# KiCad board FCSat_dual.kicad_pcb (continued)
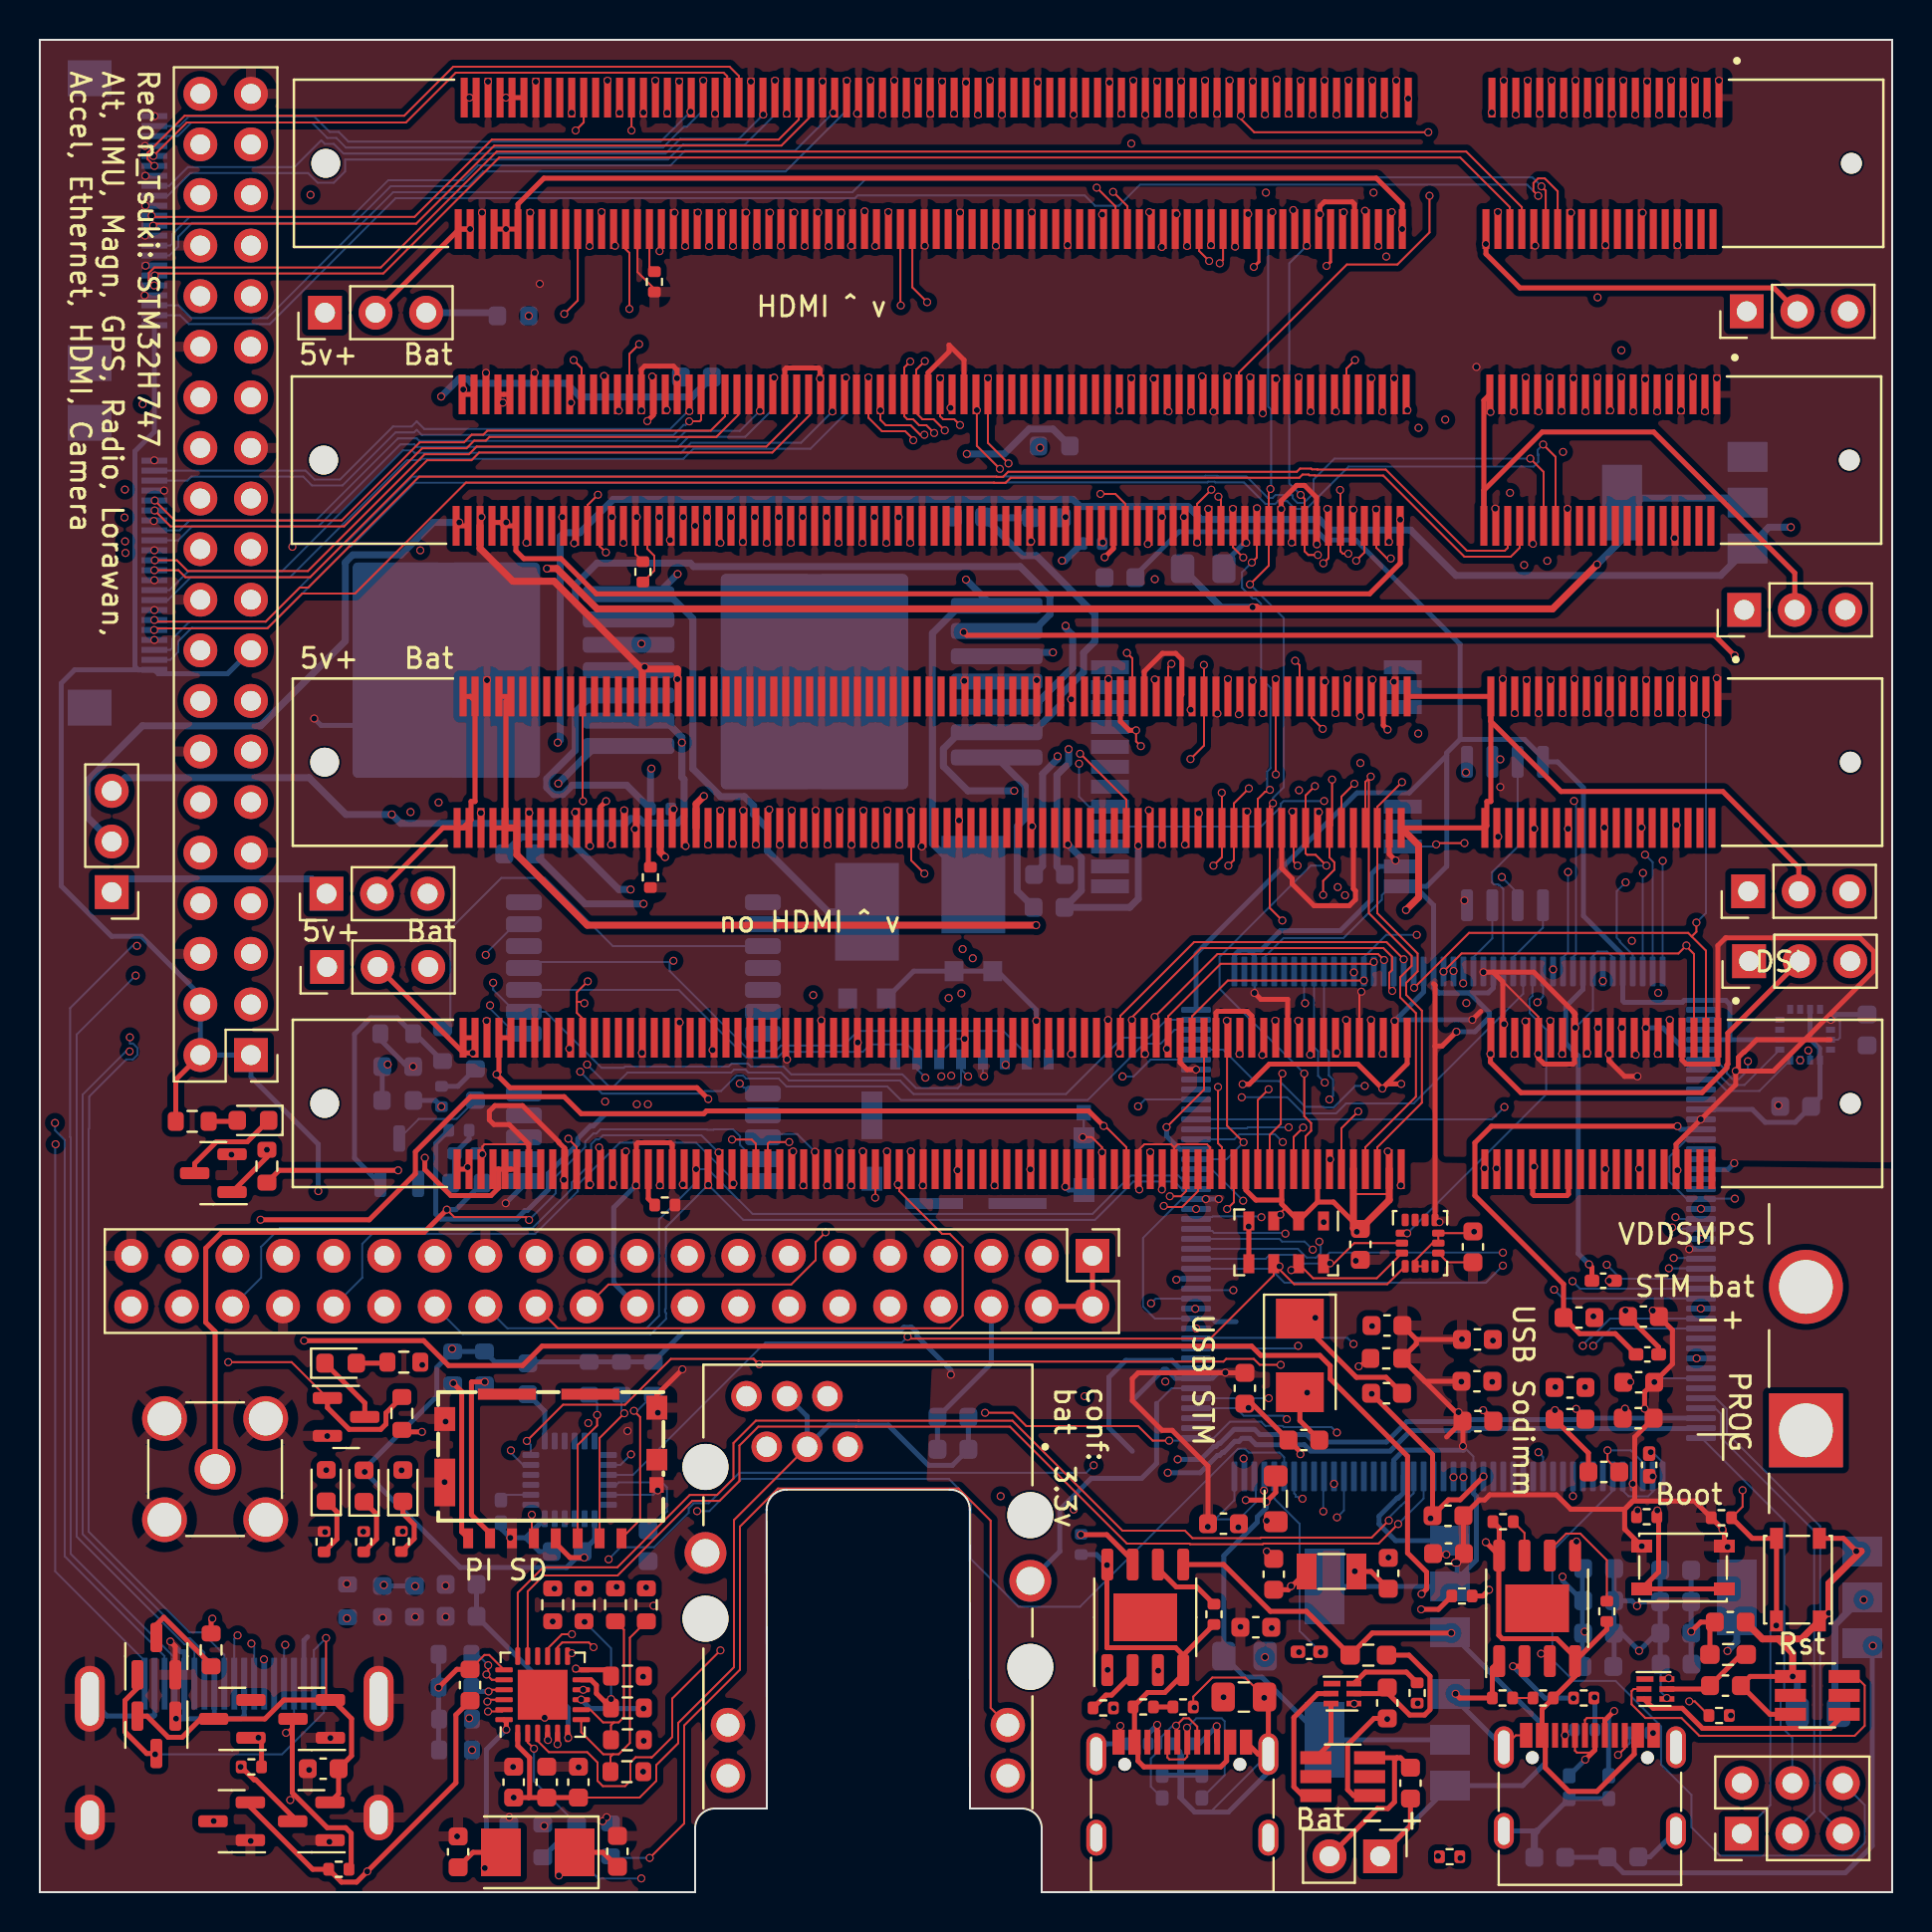
[diagram p0: board, top side]
## Routing (per net, layer and track width the routed paths; a pad name or vN(x,y) marks a point on that pad's centre or on a via; arc(x,y) is an arc through that point) (continued)
HDMI_D0_P: length 126.3
  Top w0.1: v1(46.2,73.66) 45.91,73.95 45.35,73.95 45.2,74.1 U3.119
  In1.Cu w0.1: v1(45.3,90.9) 45.4,90.8 45.4,76.2 v1(45.2,76) ; v1(46.27,45.12) 47.24,46.1 47.24,72.62 v1(46.2,73.66)
  In2.Cu w0.1: v1(46.27,45.12) 46.27,44.78 45.98,44.49 40.37,44.49 39.12,45.74 38.52,45.74 38.11,45.33 22.98,45.33 22.59,44.93 22.45,44.93 20.64,43.13 5.43,43.13 v1(4.51,42.21)
  Bottom w0.1: v1(4.51,42.21) 4.32,42.21 2.15,40.04 2.15,17.98 7.38,12.74 7.54,12.74 8.26,12.02 J8.7
HDMI_D1_N: length 129.9
  Top w0.1: v1(45.44,73.39) 44.88,73.95 44.31,73.95 44,74.26 ; v1(44.43,76.87) 44,76.43 U3.123
  In1.Cu w0.1: v1(46.84,46.89) 46.73,47 46.73,51.88 45.3,53.31 45.3,73.25 v1(45.44,73.39) ; v1(44.1,90.9) 43.98,90.77 43.98,82.47 44.1,82.35 44.1,77.2 v1(44.43,76.87)
  In2.Cu w0.1: v1(46.84,46.89) 46.84,47.4 46.4,47.85 11.84,47.85 11.17,48.52 5.32,48.52 4.48,47.68 4.48,46.35 v1(4.81,46.02)
  Bottom w0.1: J8.6 7.76,12.1 7.42,12.44 7.26,12.44 1.85,17.85 1.85,43.06 v1(4.81,46.02)
HDMI_D1_P: length 126.6
  Top w0.1: v1(43.7,76.85) 43.4,76.55 U3.125 43.4,74.1 43.55,73.95 43.84,73.95 44.14,73.65 44.51,73.65 v1(44.9,73.26)
  In1.Cu w0.1: v1(43.7,76.85) 43.7,82.33 43.5,82.53 v1(43.5,89.26) ; v1(46.33,47.35) 46.33,51.86 44.9,53.29 v1(44.9,73.26)
  In2.Cu w0.1: v1(46.33,47.35) 46.13,47.55 11.72,47.55 11.06,48.21 5.89,48.21 5.2,47.51 v1(4.87,47.51)
  Bottom w0.1: v1(4.87,47.51) 4.65,47.51 1.52,44.39 1.52,37.91 1.55,37.89 1.55,16.99 6.76,11.78 J8.4
HDMI_D2_N: length 128.6
  Top w0.1: v1(44.41,73.17) 44.2,73.17 43.72,73.65 42.47,73.65 42.2,73.92 U3.129
  In1.Cu w0.1: v1(44.41,73.17) 44.45,73.13 44.45,53.32 45.23,52.54 45.23,44.72 45.76,44.2 v1(45.76,40.99) ; v1(42.3,89.25) 42.2,89.15 42.2,84.18 42.47,83.92 42.39,83.84 42.39,75.85 42.2,75.66 v1(42.2,74.4)
  In2.Cu w0.1: v1(45.76,40.99) 45.76,41.03 45.19,41.59 38.1,41.59 37.92,41.41 37.63,41.41 37.62,41.4 28.71,41.4 25.93,38.62 v1(0.76,38.62)
  Bottom w0.1: J8.3 6.26,11.85 1.25,16.86 1.25,37.76 0.76,38.25 v1(0.76,38.62)
HDMI_D2_P: length 125.5
  Top w0.1: U3.131 41.6,74.03 42.28,73.35 43.45,73.35 43.76,73.04 43.76,72.99 v1(43.85,72.89)
  In1.Cu w0.1: v1(41.6,76.05) 41.54,76.11 41.54,82.82 41.82,83.09 41.82,90.83 v1(41.7,90.95) ; v1(45.26,40.96) 44.93,41.29 44.93,52.41 44.11,53.23 44.11,72.64 v1(43.85,72.89)
  In2.Cu w0.1: v1(0.79,37.55) 1.46,38.22 26.31,38.22 29.19,41.1 37.74,41.1 37.76,41.11 44.11,41.11 44.29,41.29 44.93,41.29 v1(45.26,40.96)
  Bottom w0.1: 5.26,11.62 0.77,16.11 0.77,37.53 v1(0.79,37.55)
HDMI_HPD_N_1V8: length 131.8
  Top w0.1: v1(53.25,70.2) 54,70.2 54.5,69.7 U3.88 ; U5.88 54.55,37.4 53.48,38.47 v1(53.41,38.47) ; U2.88 54.61,84.64 v1(53.88,85.37) ; 54.55,53.43 54.55,54.85 52.24,57.16 v1(52.23,57.16)
  Top w0.25: v1(53.41,38.47) 52.66,39.22 33.47,39.22 33.33,39.08 27.18,39.08 26.32,39.94 21.62,39.94 18.86,37.17 18.86,36.07 16.54,33.76 v1(11.08,33.76) ; R44.1 8.6,13.67 v1(8.66,13.73)
  In1.Cu w0.1: v1(53.88,85.37) 53.74,85.22 53.74,76.56 53.25,76.07 v1(53.25,70.2) 52.97,69.92 52.97,63.64 53.78,62.83 53.78,62.46 53.76,62.44 53.76,62.22 53.24,61.7 53.24,58.17 v1(52.23,57.16) 52.24,57.16 52.58,56.82 52.58,39.3 v1(53.41,38.47)
  In1.Cu w0.25: v1(8.66,13.73) 9.11,14.18 11.22,14.18 12.45,15.41 12.45,16.96 13.02,17.53 13.02,25.45 11.03,27.43 11.03,33.71 v1(11.08,33.76)
HDMI_SCL: length 125.8
  Top w0.25: R38.2 10.76,5.64 10.84,5.64 12.69,3.79 D9.3
  In1.Cu w0.1: v1(28.5,90.95) 27.76,90.21 27.76,83.06 28.01,82.8 28.01,76.6 28.33,76.29 v1(28.33,76.12) ; v1(4.27,70.42) 3,69.15 3,66.7 3.41,66.29 3.41,56.65 2.51,55.75 2.51,48.98 2.91,48.58 2.91,43.99 2.62,43.71 2.62,43.01 2.61,43 2.61,41.42 2.91,41.12 2.91,33.94 1.99,33.03 1.99,30.87 2.19,30.68 1.99,30.49 1.99,28.33 2.91,27.42 2.91,15.55 3.41,15.04 3.41,12.96 v1(10.08,6.29)
  In2.Cu w0.1: 11.78,11.14 11.04,11.14 10.08,10.18 v1(10.08,6.29) ; v1(28.33,76.12) 28.09,75.88 11.33,75.88 11.06,76.15 10.13,76.15 9.16,75.18 9.16,74.59 8.48,73.91 6.77,73.91 4.27,71.41 v1(4.27,70.42)
  In2.Cu w0.25: v1(12.32,12.42) 12.32,11.68 11.78,11.14
  Bottom w0.1: v1(12.32,12.42) 12.26,12.36 J8.15
HDMI_SDA: length 128.6
  Top w0.1: D10.3 12.71,8.35 v1(12.36,8) ; 12.67,5.39 12.67,4.73 v1(12.57,4.62)
  Top w0.25: 12.67,8.66 12.67,4.99 14.43,3.23 15.35,3.23 15.63,2.96 15.63,1.26
  In1.Cu w0.1: v1(4.25,69.02) 4.25,68.78 3.58,68.11 3.58,67.93 3.3,67.65 3.3,66.83 3.88,66.25 3.88,56.58 4.71,55.75 4.71,49.11 3.86,49.11 3.21,48.46 3.21,43.87 2.92,43.58 2.92,42.88 2.91,42.87 2.91,41.55 3.21,41.25 3.21,33.82 2.29,32.9 2.29,31 2.61,30.68 2.29,30.36 2.29,28.46 3.21,27.54 3.21,15.67 3.88,15 3.88,13.32 v1(12.57,4.62) ; v1(29.07,74.39) 29.39,74.71 29.39,76.91 29.2,77.1 29.2,79.68 29.39,79.87 29.39,82.88 29.1,83.17 v1(29.1,89.34)
  In2.Cu w0.1: v1(4.25,69.02) 4.25,69.84 4.67,70.25 4.67,71.38 6.9,73.61 8.6,73.61 8.94,73.95 11.06,73.95 11.49,74.39 v1(29.07,74.39)
  Bottom w0.1: J8.16 12.76,8.4 v1(12.36,8)
is_Charg: length 1
  Top w0.25: R8.2 R7.1
is_Charg1: length 1
  Top w0.1: 74.96,9.75 R47.1
MDC: length 54.2
  Top w0.1: v1(26.71,12) 26.64,12 U1.13
  In1.Cu w0.1: v1(52.91,21.43) 52.91,25.04 54.8,26.93 54.8,39.12 v1(55.14,39.46) ; v1(26.71,12) 28.56,13.85 v1(28.56,16.71)
  Bottom w0.1: MainMCU1.35 55.48,39.8 v1(55.14,39.46) ; v1(52.91,21.43) 52.53,21.06 35.11,21.06 33.59,19.53 32.83,19.53 32.58,19.28 32.58,19.05 30.84,17.31 29.16,17.31 v1(28.56,16.71)
MDIO: length 66.5
  Top w0.25: U1.12 28.36,11.16 R24.2
  In1.Cu w0.1: v1(26.92,11.22) 26.31,11.83 26.31,34.79 26.59,35.06 26.6,35.06 27.01,35.47 27.01,35.57 27.4,35.96 27.4,37.08 27.38,37.1 27.38,37.68 27.4,37.7 27.4,37.75 27.58,37.93 27.58,39.08 27.38,39.28 27.38,40.11 27.6,40.32 27.6,41.43 v1(27.48,41.55)
  Bottom w0.1: v1(27.48,41.55) 28.63,40.39 28.75,40.39 29.5,41.15 34.7,41.15 34.85,41.3 35.43,41.3 35.58,41.15 37.22,41.15 37.61,40.75 43.19,40.75 43.87,40.07 51.52,40.07 54.35,42.9 55.67,42.9 56.57,43.8 MainMCU1.43
PC_RX: length 158.9
  In1.Cu w0.1: P4.38 6.03,28.31 4.13,28.31 3.49,28.95 3.49,29.87 4.13,30.51 4.41,30.51 4.41,30.85 4.13,30.85 3.49,31.49 3.49,32.41 4.13,33.05 4.41,33.05 4.41,41.81 4.34,41.81 4.11,42.04 4.11,42.38 4.3,42.57 4.12,42.75 4.12,43.09 4.41,43.37 4.41,47.91 5.21,47.91 5.91,48.61 5.91,50.04 P3.10 ; v1(65.12,42.17) 65.18,42.24 65.18,43.97 64.98,44.18 64.98,46.07 64.92,46.12 64.92,46.62 65.13,46.83 65.13,50.36 65.13,50.36 65.13,51.07 65.29,51.24 65.29,51.82 65.28,51.83 65.28,58.97 v1(65.05,59.2) 65,59.25 65,67.49 65.04,67.54 65.04,70.07 64.88,70.24 64.88,70.31 64.87,70.32 64.87,74.15 v1(65.07,74.34) 65.07,89.22 v1(65.1,89.25)
  In2.Cu w0.1: v1(80.49,51.17) 77.39,51.17 76.77,50.56 73.29,50.56 73.27,50.57 73.24,50.57 73,50.8 65.5,50.8 v1(65.16,50.46) 64.85,50.77 64.14,50.77 64.08,50.71 32.45,50.71 31.58,51.57 30.98,51.57 29.26,53.29 9.16,53.29 P3.10
  Bottom w0.1: v1(80.49,51.17) 80.48,51.16 MainMCU1.86
PC_TX: length 149.5
  Top w0.1: U3.51 65.6,76.49 v1(66.03,76.92)
  In1.Cu w0.1: P4.40 5.69,30.51 5.69,46.88 8.06,49.25 ; v1(65.58,43.79) 65.59,43.8 65.59,43.99 65.28,44.3 65.28,46.19 65.22,46.25 65.22,46.49 65.59,46.86 65.59,47.91 65.59,47.92 65.59,51.11 65.59,51.11 65.59,51.94 65.59,51.94 65.59,60.84 v1(65.65,60.9) 65.29,61.26 65.29,67.37 65.34,67.41 65.34,69.98 65.37,70 65.45,70 65.68,70.24 65.68,70.31 65.81,70.44 65.81,76.7 v1(66.03,76.92) 65.92,77.03 65.92,90.73 v1(65.7,90.95)
  In2.Cu w0.1: P3.8 9.16,50.75 12.95,50.75 13.47,51.27 31.46,51.27 32.32,50.41 64.21,50.41 64.27,50.47 64.6,50.47 64.83,50.24 64.83,50.13 64.9,50.05 v1(65.53,50.05) 65.83,50.35 73.03,50.35 73.11,50.27 73.15,50.27 73.16,50.26 79.17,50.26 v1(79.62,50.7)
  Bottom w0.1: MainMCU1.85 79.98,47.07 79.32,47.72 79.32,47.77 79.17,47.92 79.17,50.25 v1(79.62,50.7)
power0 : length 90.8
  Top w0.1: 23.11,90.1 v1(23.4,90.1)
  Top w0.25: 24.31,90.1 v1(23.4,90.1) ; U2.40 72.61,82.25 74.31,80.54 87.07,80.54 J14.2 ; U2.42 68.41,84.75 67.1,86.05 25.31,86.05 24.01,84.75 U2.190 22.81,83.5
  In1.Cu w0.25: v1(68.4,83.5) 71.85,83.5 v1(72.6,82.75) 72.6,89.05 v1(72.9,89.35) 72.2,90.05 v1(68.7,90.05) ; v1(23.4,90.1) 23.4,83.5 v1(23.41,83.5)
power1 : length 97.3
  Top w0.1: 23.09,74.78 v1(23.25,74.78)
  Top w0.25: 22.83,68.77 23.13,68.77 U3.192 U3.190 23.9,67.35 24.3,66.95 26.17,66.95 27.93,65.19 66.77,65.19 68.3,66.72 v1(68.3,68.91) ; J13.2 88.11,66.23 81.03,73.31 75.43,73.31 72.5,70.38 U3.40 72.5,74.9 U3.39 ; U3.191 U3.193
  In1.Cu w0.25: v1(68.3,68.91) 68.3,74.04 v1(68.66,74.41) 72.74,74.41 v1(72.83,74.32) ; v1(23.41,68.77) 23.25,68.93 v1(23.25,74.78)
power2 : length 97.6
  Top w0.25: U4.41 U4.39 ; U4.39 72.85,54.76 72.65,54.76 72.65,53.53 72.55,53.43 68.35,53.43 ; U4.39 72.85,58.78 76.37,55.26 84.5,55.26 88.31,51.45 J15.2 ; U4.193 U4.191 23.4,59.78 23.4,53.48 23.35,53.43 22.75,53.43
  Top w0.35: v1(68.59,49.31) 69.23,49.94 69.23,52.56 68.35,53.43 ; 23.35,53.43 23.95,53.43 23.95,52.08 27.48,48.55 v1(50.02,48.55)
  In2.Cu w0.35: v1(68.59,49.31) 50.27,49.31 49.97,49.01 50.02,48.96 v1(50.02,48.55)
power3 : length 107.6
  Top w0.25: U5.190 23.64,36.3 ; 23.64,36.3 23.03,36.3 ; 23.64,36.3 U5.192 ; U5.41 68.65,41.59 v1(67.4,40.35) ; v1(67.4,40.35) 66.17,41.57 61.73,41.57 60.72,40.56 v1(60.39,40.56) ; v1(67.4,40.35) 67.64,40.58 v1(68.35,40.58) ; 23.03,36.3 23.03,35.35 22.65,34.97 20.64,34.97 19.33,36.28 v1(19.33,36.87) ; 23.03,36.3 U5.194 ; J16.2 84.75,43.13 84.75,41.57 84.7,41.52 84.7,41.39 83.45,40.14 74.36,40.14 72.83,41.67 v1(72.83,42.09) ; U5.191 U5.193 23.05,41.18 v1(22.93,41.06) 23.6,40.39 32.99,40.39 v1(33.56,39.82)
  In1.Cu w0.25: v1(68.33,35.49) 68.42,35.49 68.98,36.05 68.98,39.95 v1(68.35,40.58) ; v1(19.33,36.87) 19.33,40.99 20.95,42.61 21.93,42.61 22.93,41.61 v1(22.93,41.06) ; v1(72.83,42.09) 72.53,41.79 v1(72.53,36.34)
  In2.Cu w0.25: v1(33.56,39.82) 54.83,39.82 54.94,39.93 59.41,39.93 60.04,40.56 v1(60.39,40.56) ; v1(72.83,42.09) 69.15,42.09 v1(67.4,40.35)
REFCLK: length 60.5
  In1.Cu w0.1: v1(25.84,15.24) 26.01,15.41 26.01,34.91 26.46,35.36 26.47,35.36 26.71,35.6 26.71,37.41 26.96,37.66 26.96,37.73 27.28,38.05 27.28,38.96 27.08,39.16 27.08,40.23 27.3,40.45 27.3,40.93 27.23,41 27.23,41.09 v1(27.13,41.19)
  Bottom w0.1: v1(27.13,41.19) 28.23,40.09 33.27,40.09 33.39,40.22 34.2,40.22 34.98,41 35.31,41 35.45,40.85 37.09,40.85 37.49,40.45 42.55,40.45 43.23,39.77 52.61,39.77 55.44,42.6 56.27,42.6 56.97,43.3 MainMCU1.42
RXD0: length 66.9
  In1.Cu w0.1: v1(28.96,15.33) 28.96,16.93 28.89,17 28.89,35.02 29.97,36.1 v1(29.97,39.56)
  In2.Cu w0.1: v1(64.74,39.8) 64.1,39.15 55.82,39.15 55.43,38.76 54.85,38.76 54.52,39.08 30.58,39.08 30.51,39.15 30.37,39.15 29.97,39.55 v1(29.97,39.56)
  Bottom w0.1: MainMCU1.54 64.48,42.43 64.72,42.19 64.72,41.01 64.93,40.8 64.93,39.98 v1(64.74,39.8)
RXD1: length 65.5
  In1.Cu w0.1: v1(30.44,15.3) 30.44,24.39 31.09,25.04 31.09,32.41 30.49,33.01 30.49,39.52 v1(30.53,39.56)
  In2.Cu w0.1: v1(64.51,40.65) 63.32,39.45 55.7,39.45 55.3,39.06 54.97,39.06 54.63,39.4 33.76,39.4 33.74,39.38 33.41,39.38 33.39,39.4 30.69,39.4 v1(30.53,39.56)
  Bottom w0.1: MainMCU1.53 63.98,42.43 64.18,42.22 64.18,40.98 v1(64.51,40.65)
SCK: length 103.2
  Top w0.1: IMU1.13 65.99,32.59 64.95,31.55 Alt1.8 ; v1(47.46,24.07) 48.86,24.07 49.53,23.4 55.15,23.4 55.88,22.67 v1(56.7,22.67)
  In1.Cu w0.1: v1(46.61,40.96) 46.48,40.83 46.48,25.05 v1(47.46,24.07) ; v1(23.65,22.18) 24.05,22.58 24.05,28.23 23.47,28.81 23.47,33.66 24.06,34.25 24.06,44.36 v1(22.76,45.66) ; v1(65.12,23.08) 65.12,31.23 v1(64.78,31.57)
  Bottom w0.1: GPS1.19 25.39,44.2 28.2,41.39 29.32,41.39 29.38,41.45 34.58,41.45 34.73,41.6 35.55,41.6 35.7,41.45 37.34,41.45 37.73,41.06 43.3,41.06 43.99,40.37 46.09,40.37 46.25,40.53 J3.5 46.25,41.32 v1(46.61,40.96) ; v1(65.12,23.08) 64.85,23.35 62.46,23.35 62.4,23.41 61.54,23.41 61.33,23.62 59.75,23.62 58.94,22.8 MainMCU1.1 57.92,22.67 v1(56.7,22.67) ; 23.87,44.2 22.76,45.31 v1(22.76,45.66) ; v1(23.65,22.18) 23.65,22.07 24.27,21.45 Accel1.23
SCL: length 5
  Bottom w0.1: MainMCU1.95 84.11,41.3 84.39,41.02 84.39,40.96 84.82,40.53 85.58,40.53 Magnetometer1.1
SDA: length 5.4
  Bottom w0.1: Magnetometer1.16 86.33,40.23 84.7,40.23 84.12,40.8 MainMCU1.96
SDI: length 92.8
  Top w0.1: IMU1.1 67.65,30.53 62.97,30.53 Alt1.6 61.95,30.97 58.76,27.79 43.67,27.79 v1(43.57,27.89)
  In1.Cu w0.1: v1(61.7,24.8) 61.7,30.88 v1(62.24,31.42) ; v1(43.57,27.89) 43.79,28.11 43.79,32.07 45.17,33.45 45.17,40.18 v1(44.46,40.89)
  Bottom w0.1: v1(44.46,40.89) 44.05,41.3 J3.7 ; MainMCU1.5 v1(61.7,24.8) ; v1(43.57,27.89) 43.28,27.6 36.43,27.6 29.78,20.95 Accel1.9 ; 44.05,42.06 43.55,42.56 41.69,42.56 41.32,42.19 37.7,42.19 37.68,42.21 37.35,42.21 37.33,42.19 37.32,42.19 37.03,41.9 35.48,41.9 32.08,45.3 GPS1.20
SDMMC1_CK: length 55.7
  Top w0.1: v1(24.7,18.95) 24.7,17.85
  In2.Cu w0.1: v1(76.97,19.88) 76.84,20.02 63.69,20.02 63.56,20.15 62.1,20.15 61.54,20.71 57.27,20.71 56.92,20.36 56.34,20.36 55.99,20.71 34.77,20.71 33.59,19.53 25.28,19.53 v1(24.7,18.95)
  Bottom w0.1: v1(76.97,19.88) 76.97,20.16 76.98,20.17 MainMCU1.142
SDMMC1_CMD: length 57.5
  Top w0.1: v1(27.98,23.96) 27.98,23.43 27,22.45 27,17.77
  In2.Cu w0.1: v1(75.24,22.09) 74.23,23.1 71.23,23.1 70.8,22.67 62.47,22.67 61.58,23.56 28.38,23.56 v1(27.98,23.96)
  Bottom w0.1: R35.2 27.98,24.57 v1(27.98,23.96) ; MainMCU1.145 75.48,21.85 v1(75.24,22.09)
SDMMC1_D0: length 70.7
  Top w0.25: v1(22.34,25.62) 21.69,25.62 21.67,25.6 21.67,18.95 22.6,18.02
  In2.Cu w0.1: v1(83.18,26.8) 82.95,27.03 44.02,27.03 43.7,27.35 42.24,27.35 42.08,27.51 28.73,27.51 27.93,26.71 27.39,26.71 27.19,26.91 23.63,26.91 v1(22.34,25.62)
SDO: length 111.6
  Top w0.1: v1(24.45,22.66) 26.27,24.47 29.39,24.47 31.69,26.77 35.82,26.77 ; IMU1.14 67.13,30.82 63.92,30.82 Alt1.7 ; 35.82,26.77 35.96,26.64 59.43,26.64 59.56,26.77 60.95,26.77 61.25,26.48 v1(62.3,26.48) ; 35.82,26.77 35.85,26.77 v1(36.12,26.51)
  In1.Cu w0.1: 62.53,26.34 62.53,30.93 v1(62.83,31.23) ; 62.53,26.34 62.53,23.82 v1(62.61,23.75) ; 62.53,26.34 62.39,26.48 v1(62.3,26.48) ; v1(31.81,46.76) 31.72,46.67 31.72,33.53 31.43,33.23 31.43,28.95 33.88,26.51 v1(36.12,26.51)
  Bottom w0.1: 24.61,46.7 31.62,46.7 ; 31.62,46.7 31.62,46.25 35.65,42.22 36.93,42.22 37.21,42.5 37.21,42.5 37.22,42.51 40.35,42.51 41.08,43.24 48.37,43.24 49.55,42.06 ; 31.62,46.7 31.68,46.76 v1(31.81,46.76) ; v1(24.45,22.66) 24.65,22.46 Accel1.24 ; MainMCU1.4 60.06,24.3 60.44,23.92 62.44,23.92 v1(62.61,23.75)
Sodimm_PIO32: length 49.2
  Top w0.1: U3.46 67.1,67.5 67.64,66.96 v1(67.83,66.96) ; v1(68.39,55.73) 67.15,54.49 67.15,49.15 69.17,47.13 69.17,46.23 68.6,45.66 68.6,45.05 69.39,44.26 69.39,39.64 67.15,37.4 U5.46
  In1.Cu w0.1: v1(68.39,55.73) 68.38,55.74 68.38,66.4 v1(67.83,66.96) ; v1(67.09,69.42) 67.01,69.5 67.01,74.51 67.24,74.74 67.25,74.74 67.26,74.75 67.26,76.18 67.2,76.24 v1(67.2,82.66)
Sodimm_PIO33: length 55.8
  Top w0.1: v1(66.09,66.85) 66.5,67.26 U3.48 ; 66.55,53.43 66.55,55.74 v1(66.82,56.01) 66.73,55.91 66.73,49.15 68.87,47 68.87,46.51 68.3,45.93 68.3,44.93 69.09,44.13 69.09,39.94 66.55,37.4 U5.48
  In1.Cu w0.1: v1(66.53,84.42) 66.47,84.36 66.47,76.11 66.36,76 66.36,67.12 v1(66.09,66.85) 66.51,66.43 66.51,59.4 66.82,59.1 v1(66.82,56.01)
Sodimm_PIO34: length 52
  Top w0.1: U5.52 65.35,38.36 v1(66.19,39.2) ; v1(65.69,67.2) 65.42,67.2 65.3,67.32 U3.52 65.3,70.38 v1(65.28,70.4) ; 65.35,53.43 65.35,55 v1(66,55.65)
  In1.Cu w0.1: v1(65.47,84.34) 65.47,70.59 v1(65.28,70.4) ; v1(65.69,67.2) 65.69,67.2 65.69,66.68 66.05,66.32 66.05,59.37 65.9,59.22 65.9,55.75 v1(66,55.65) 66,47.9 65.89,47.79 65.89,46.66 65.58,46.35 65.58,44.42 65.98,44.02 65.98,39.41 v1(66.19,39.2)
Sodimm_PIO35: length 47.9
  Top w0.1: U3.54 64.7,66.98 v1(64.44,66.72) ; v1(64.88,55.86) 64.88,53.56 64.75,53.43 64.75,51.95 64.99,51.7 64.99,51.33 64.43,50.77 v1(64.43,50.07)
  Top w0.15: 64.8,83.5 64.8,81.85 v1(64.6,81.65)
  In1.Cu w0.1: v1(64.78,36.79) 64.78,38.51 64.34,38.94 64.34,39.96 64.58,40.2 64.63,40.2 65.21,40.78 64.32,41.68 64.32,49.96 v1(64.43,50.07) ; v1(64.88,55.86) 64.88,58.5 64.12,59.26 64.12,66.4 v1(64.44,66.72) ; v1(64.64,69.45) 64.64,70.05 64.58,70.11 64.58,70.19 64.57,70.2
  In1.Cu w0.15: 64.55,70.19 64.55,81.6 v1(64.6,81.65)
Sodimm_PIO36: length 53.4
  Top w0.1: v1(64.02,55.53) 63.55,55.06 63.55,52.16 63.63,52.08 64.05,52.08 v1(64.59,51.54) ; v1(64.17,67.14) 63.69,67.14 63.5,67.32 U3.58 63.5,69.95 v1(63.3,70.15) ; U5.58 63.55,37.95 63.83,38.22 63.83,38.61 63.48,38.96 v1(63.48,41.1)
  In1.Cu w0.1: v1(64.02,55.53) 63.81,55.74 63.81,66.78 v1(64.17,67.14)
  Bottom w0.1: v1(64.59,51.54) 63.81,51.54 59.23,46.96 59.23,45.35 v1(63.48,41.1) ; v1(63.3,70.15) 62.73,70.72 62.73,81.78 v1(63.61,82.66)
Sodimm_PIO37: length 48.5
  Top w0.1: v1(63.15,51.54) 62.95,51.74 62.95,53.43 ; v1(63.43,38.39) 62.95,37.91 U5.60
  In1.Cu w0.1: v1(63.15,51.54) 62.78,51.17 62.78,43.91 62.78,43.91 62.78,43.58 62.78,43.57 62.78,39.04 v1(63.43,38.39) ; v1(62.88,54.25) 62.77,54.36 62.77,60.6 62.58,60.8 62.58,67.49 v1(62.85,67.77) 62.85,69.61 62.6,69.86 62.6,70.44 62.85,70.69 62.85,74.35 62.79,74.41 62.79,83.31 62.87,83.38 62.87,84.18 62.9,84.21 62.9,84.35
  vias: v1(62.93,84.45)
Sodimm_PIO38: length 50.2
  Top w0.1: v1(62.38,48.79) 61.75,49.42 61.75,54.51 v1(61.91,54.67) ; v1(61.78,70.45) 61.7,70.37 U3.64 61.7,66.6 v1(60.76,65.66) ; U5.64 61.75,38.02 62.3,38.57 62.3,41.02 v1(62.38,41.1)
  In1.Cu w0.1: v1(62.38,41.1) 62.42,41.14 62.42,48.74 v1(62.38,48.79)
  Bottom w0.1: v1(60.76,65.66) 60.76,65.66 62.45,63.97 62.45,55.48 61.91,54.93 v1(61.91,54.67) ; v1(61.78,70.45) 61.82,70.49 61.82,74.44 61.67,74.58 61.67,84.14 v1(61.88,84.35)
Sodimm_PIO39: length 50.6
  Top w0.1: v1(61.76,55.34) 61.75,55.34 61.65,55.25 61.51,55.25 61.15,54.88 61.15,53.43 ; U3.66 61.1,67.01 v1(60.85,66.76) ; U5.66 61.15,39.77 v1(61.69,40.31)
  Top w0.15: 61.2,83.5 61.2,81.85 v1(60.95,81.6)
  In1.Cu w0.1: v1(61.11,69.48) 60.94,69.65 60.94,74.51 61.21,74.78 61.21,81.34 v1(60.95,81.6) ; v1(61.76,55.34) 61.51,55.1 61.51,46.7 61.69,46.52 61.69,43.98 61.63,43.92 61.63,43.59 61.68,43.53 61.68,42.3 61.78,42.2 61.78,41.49 61.68,41.39 61.68,40.32 v1(61.69,40.31)
  Bottom w0.1: v1(60.85,66.76) 60.36,66.27 60.36,65.49 60.91,64.94 61.06,64.94 61.31,64.69 61.31,60.94 61.79,60.47 61.79,56.43 61.62,56.26 61.62,55.48 v1(61.76,55.34)
Sodimm_PIO40: length 51.3
  Top w0.1: v1(59.61,34.3) 59.95,34.64 U5.70 ; v1(60.42,67.01) 59.9,67.53 U3.70 ; v1(60.7,55.42) 59.95,54.66 59.95,51.82 v1(59.67,51.54)
  In1.Cu w0.1: v1(59.9,69.45) 60.09,69.64 60.09,73.88 60.1,73.89 60.1,74.62 60.08,74.64 60.08,75.74 60.06,75.76 60.06,76.34 60.08,76.36 60.08,82.55 v1(60.01,82.62) ; v1(60.42,67.01) 60.36,66.95 60.36,64.98 60.48,64.86 60.48,59.42 60.79,59.11 60.79,55.5 v1(60.7,55.42) ; v1(59.67,51.54) 59.2,51.07 59.2,44.14 59.19,44.14 59.19,43.59 59.28,43.5 59.28,41.55 60.03,40.8 59.69,40.46 59.69,34.38 v1(59.61,34.3)
Sodimm_PIO41: length 49.8
  Top w0.1: U3.72 59.3,69.94 v1(59.17,70.06) ; v1(59.34,55.2) 59.35,55.19 59.35,51.97 v1(58.92,51.54) ; v1(59.24,81.78) 59.41,81.94 U2.72 ; v1(59.15,40.42) 59.15,37.6 59.35,37.4 U5.72
  In1.Cu w0.1: v1(59.24,81.78) 59.24,74.59 59.32,74.51 59.32,74.32 59.33,74.32 59.33,70.22 v1(59.17,70.06) 59.11,70 59.11,59.73 58.71,59.33 58.71,55.83 v1(59.34,55.2) ; v1(58.92,51.54) 58.79,51.41 58.79,45.07 58.88,44.98 58.88,41.69 58.98,41.59 58.98,41.01 59.15,40.84 v1(59.15,40.42)
Sodimm_PIO42: length 53.6
  Top w0.1: U3.76 58.1,69.7 v1(58.82,70.41) ; v1(58.71,81.9) 58.2,82.4 58.2,83.5 ; v1(56.43,34.45) 56.48,34.4 57.35,34.4 58.15,35.2 U5.76
  In1.Cu w0.1: v1(56.43,34.45) 56.81,34.45 58.58,36.22 58.58,41.03 58.68,41.13 58.68,41.47 58.19,41.95 58.19,54.16 v1(58.19,54.17) 58.19,61.31 58.04,61.45 58.04,67.7 v1(58.11,67.77) ; v1(58.71,81.9) 58.75,81.85 58.75,75.58 58.53,75.36 58.53,73.99 58.85,73.66 58.85,70.45 v1(58.82,70.41)
Sodimm_PIO43: length 51
  Top w0.1: v1(56.73,34.94) 57.29,34.94 57.55,35.2 U5.78
  In1.Cu w0.1: v1(57.6,82.65) 57.4,82.45 57.4,74.04 57.11,73.75 57.11,69.37 v1(57.44,69.04) 57.44,68.09 57.38,68.03 57.38,59.2 57.49,59.09 57.49,57.81 57.37,57.68 57.37,52.72 v1(57.49,52.6) 57.48,52.59 57.48,41.75 56.2,40.47 56.2,38.61 56.17,38.58 56.17,38.24 56.73,37.68 v1(56.73,34.94)
Sodimm_PIO44: length 49
  Top w0.1: v1(56.34,35.28) 56.35,35.3 U5.82
  In1.Cu w0.1: v1(56.34,52.6) 56.38,52.64 ; v1(56.34,52.6) 56.43,52.51 56.43,42.76 56.18,42.51 56.18,42.38 56.19,42.38 56.19,41.8 56.18,41.79 56.18,40.87 55.88,40.58 55.88,39.29 55.87,39.28 55.87,38.12 56.34,37.66 v1(56.34,35.28) ; v1(56.34,52.6) 56.38,52.64 ; 56.38,52.64 56.38,69 v1(56.34,69.04) ; v1(56.34,69.04) 56.27,69.11 56.27,74.74 56.33,74.8 v1(56.33,82.6) ; v1(56.34,69.04) 56.38,69
Sodimm_PIO45: length 48.6
  In1.Cu w0.1: v1(55.75,37.15) 55.57,37.33 55.57,39.4 55.58,39.42 55.58,41.46 55.88,41.76 55.88,41.91 55.89,41.92 55.89,42.25 55.57,42.57 55.57,54.21 v1(55.68,54.31) 55.78,54.42 55.78,59.41 55.07,60.13 55.07,61.98 55.16,62.07 55.16,67.22 v1(55.63,67.69) 55.45,67.87 55.45,73.93 55.07,74.31 55.07,75.69 55.63,76.25 55.63,84.28 v1(55.7,84.35)
SWclk: length 36
  Bottom w0.1: MainMCU1.138 78.98,20.17 75.94,17.13 75.94,11.67 77.01,10.6 79.11,10.6 81.39,8.32 81.39,6.41 82.92,4.89 82.92,3.26 84.35,1.83 90.98,1.83 91.63,2.48 91.63,4.38 90.52,5.47
SWDIO: length 19.4
  Bottom w0.1: J12.4 87.98,7.75 87.4,8.34 87.4,9.84 87.58,10.02 87.58,18.66 83.43,22.8
TXD0: length 57.2
  Top w0.1: v1(68.19,18.48) 67.22,17.5 61.44,17.5 61.4,17.47 57.75,17.47 57.72,17.5 54.58,17.5 48.71,23.37 40.98,23.37 40.98,23.38 36.07,23.38 35.12,22.42 35.12,20.64 34.13,19.65 32.76,19.65 29.01,15.9 25.29,15.9 24.5,15.11 U1.17
  Bottom w0.1: MainMCU1.157 69.48,19.76 v1(68.19,18.48)
TXD1: length 57.1
  Top w0.1: U1.18 24,15.03 25.27,16.31 29,16.31 32.63,19.94 34,19.94 34.83,20.77 34.83,22.55 35.95,23.67 41.1,23.67 41.11,23.67 48.83,23.67 54.35,18.15 57.49,18.15 57.87,17.77 61.28,17.77 61.31,17.8 66.87,17.8 v1(67.73,18.66)